# Altium PCB AD-FMComms3_revA.PcbDoc (part 3 of 5) (continued)
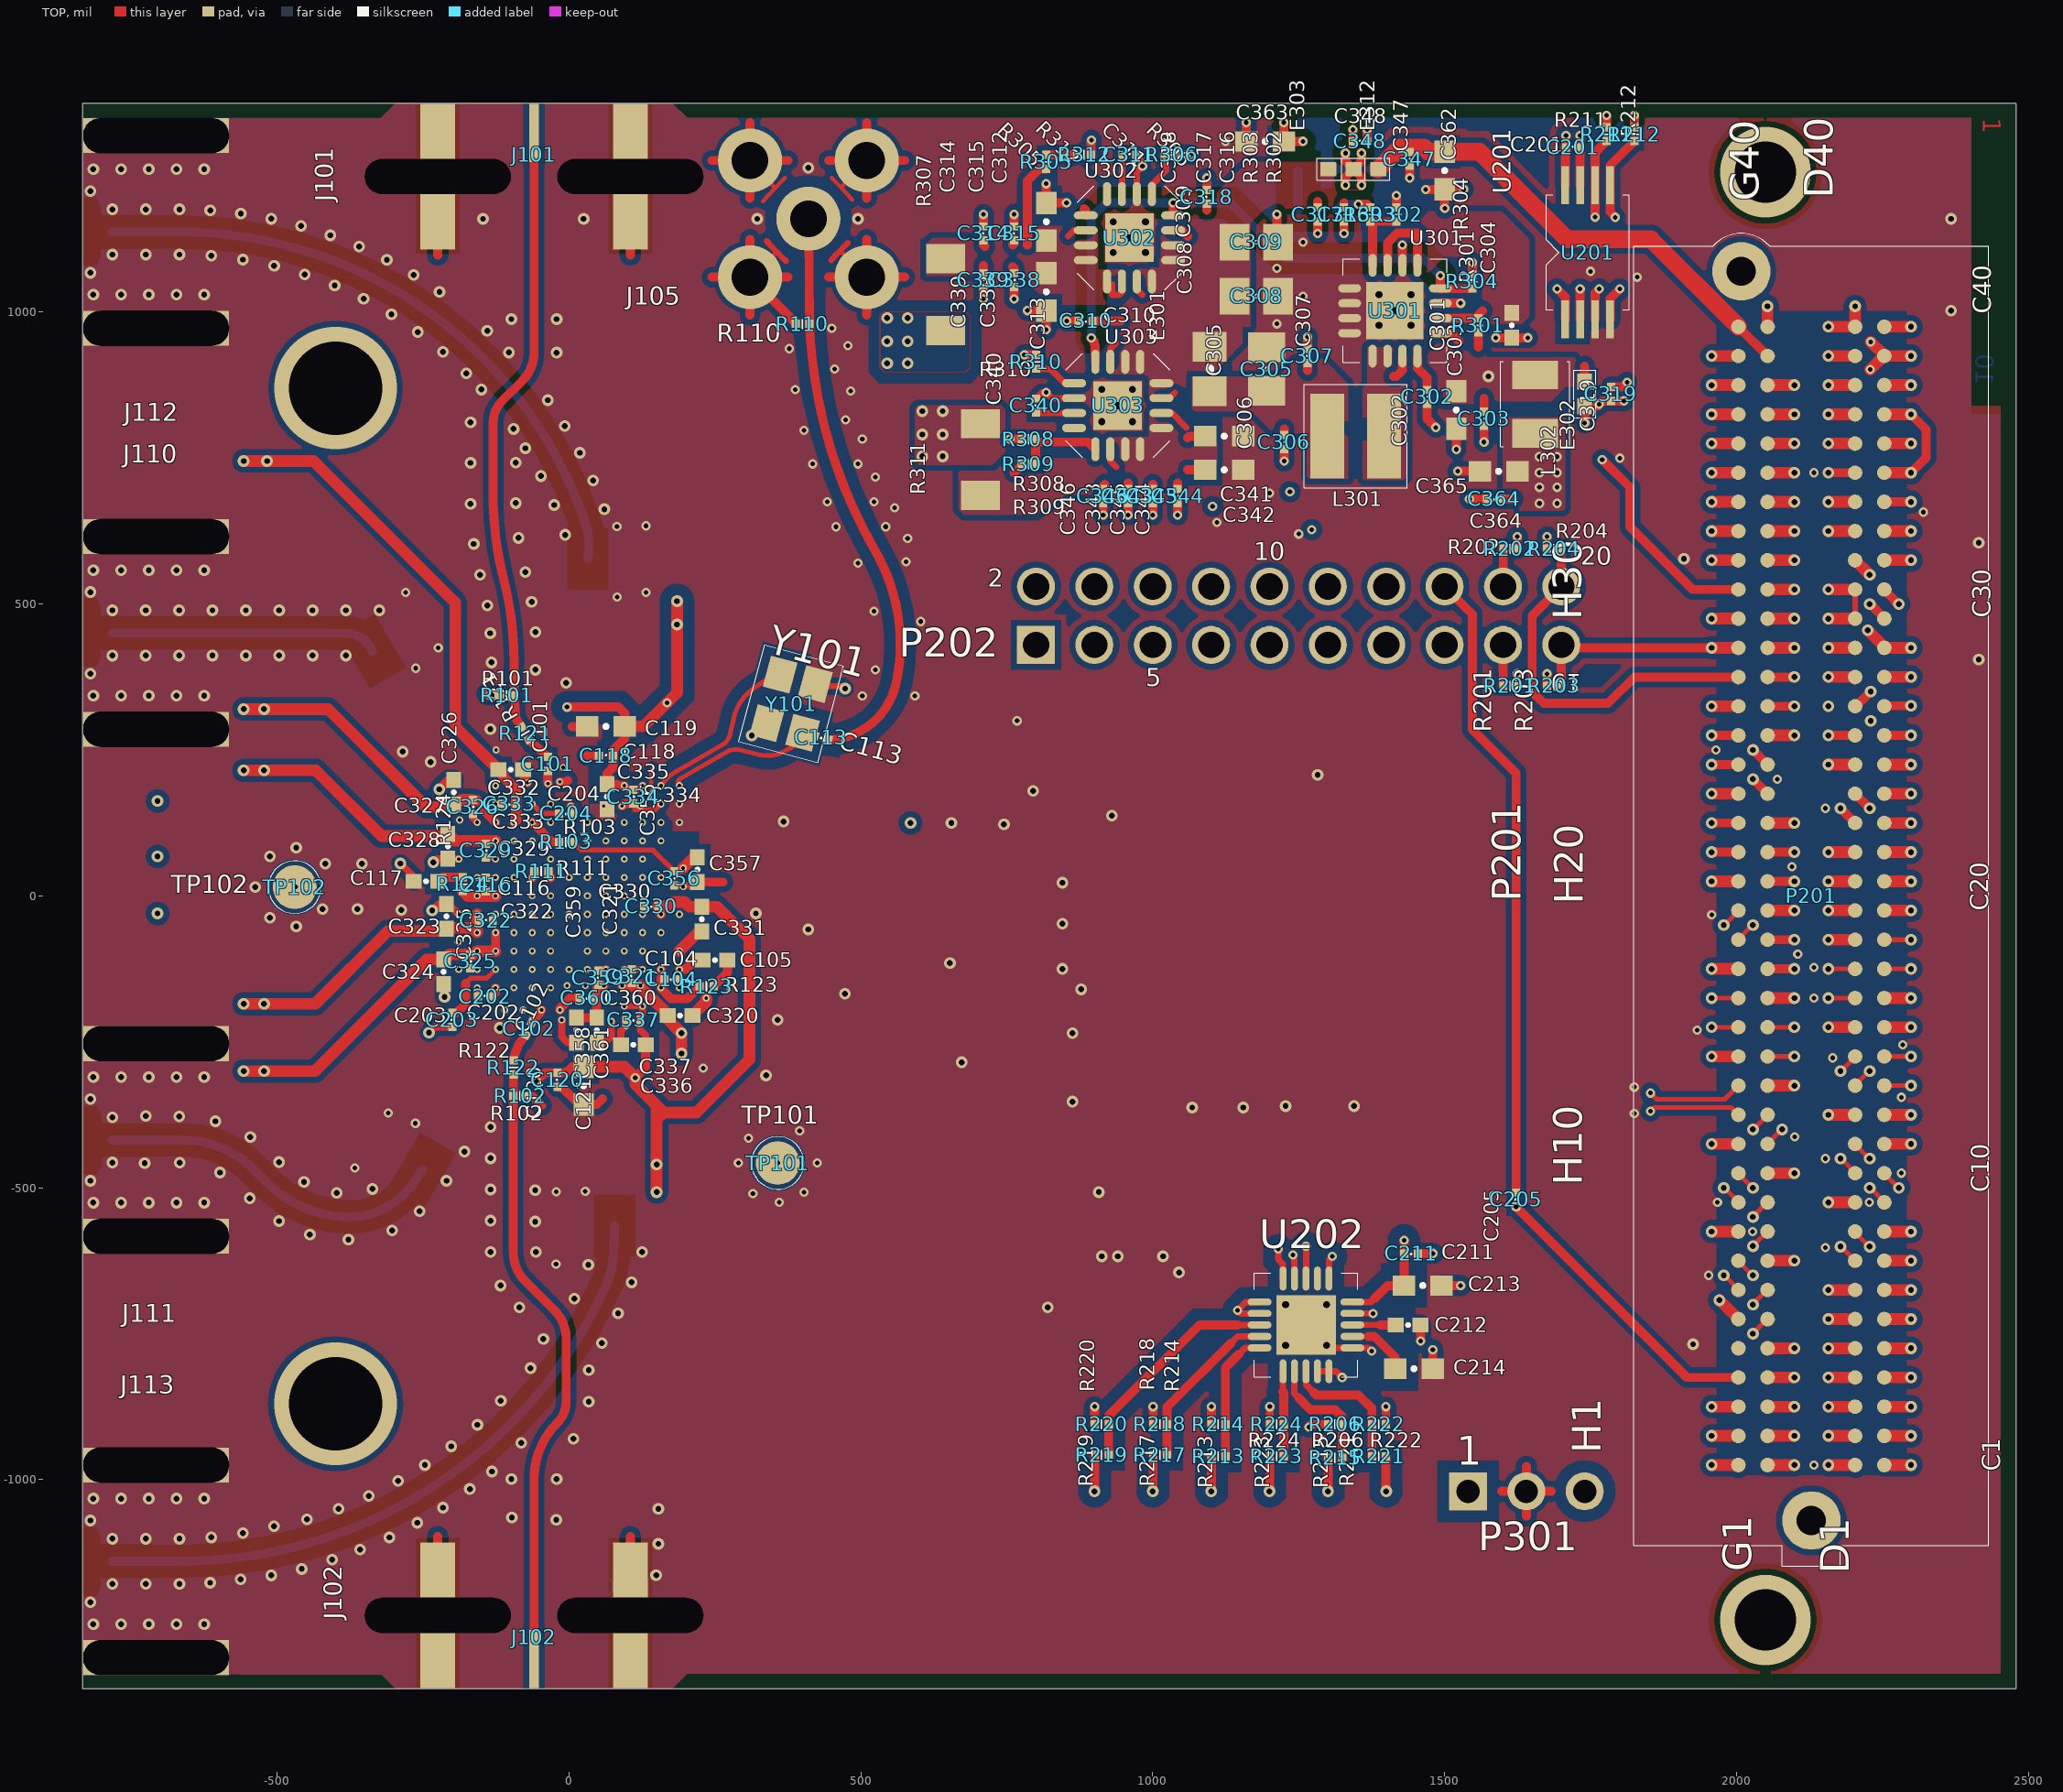
[diagram p0: TOP view]
## Nets (pads, with @x,y where several pads share a name; then routed paths per layer and width w, separated by ;. In a path a pad name is that pad's centre, name@x,y a point inside that pad or via, vN(x,y) a via of type N, cw(c..) or ccw(c..) an arc to the next point about the centre after c; other vN are vias at no path point) (continued)
TX_D5_P: P201.H19 TP209.1 U101.E7 | length 2957.9
  TOP w8: P201.H19@2003.27,-75 2003.27,-74.18 2021.81,-55.64 2021.81,-54 v1(2028.27,-50)
  L6_SIG w3.8: v3(31.49,-31.5) 43.5,-31.5 58.23,-16.77 64.45,-16.77 81.59,0.37 81.59,5.35 93.74,17.5 163.35,17.5 172.6,26.75 172.6,91.36 191.4,110.16 201.88,120.63 201.88,121.03 210.42,129.57 210.42,215.42 357.5,362.5 417.5,362.5 435,345 435,290 455,270 505,270 525,290 525,360 550,385 670,385 695,360 695,290 715,270 899.15,270 996.65,172.5 1030,172.5 1037.5,180 1037.5,200 1050,212.5 1097.5,212.5 1110,200 1110,180 1117.5,172.5 1157.5,172.5 1165,180 1165,197.5 1180,212.5 1232.5,212.5 1245,200 1245,180 1252.5,172.5 1312.5,172.5 1320,180 1320,197.5 1335,212.5 1395,212.5 1410,197.5 1410,177.5 1415,172.5 1769.15,172.5 1860.33,81.32 1860.33,-1.18 1866.65,-7.5 1885.85,-7.5 1892.92,-0.43 1892.92,15.42 1903.4,25.9 1920.04,25.9 1945.94,0 2005,0 2028.27,-23.27 v1(2028.27,-50)
  BOTTOM w8: U101.E7@15.75,-47.24 v3(31.49,-31.5)
TX_EXT_LO: TP101.1 U101.A12 | length 322.7
  BOTTOM w15.5: 188.98,-188.98 234.01,-246.51 324.7,-362.37 cw(c203.16,-457.5) v2(357.5,-457.5)
TX_FRAME_N: P201.D15 TP225.1 U101.H9 | length 2960.4
  TOP w8: v1(2178.27,-300) 2184.73,-296 2184.73,-294.36 2203.27,-275.82 P201.D15@2203.27,-275
  L6_SIG w4: v3(94.48,62.98) 94.48,50.52 99.67,45.33 105.33,45.33 110,50 110,70 121.48,81.48 131.38,81.48 138.99,89.09 141.94,92.03 141.94,102.85 151.69,112.6 152.08,112.98 162.86,112.98 170.47,120.59 170.47,143.07 ; 170.48,143.08 170.48,205.94 384.54,420 663.07,420 760.57,322.5 890.57,322.5 983.27,229.8 1733.27,229.8 1750.77,212.3 1883.27,212.3 1890,205.57 1890,110 1905,95 1988.07,95 2045,38.07 2045,-30 2070.2,-55.2 2105.77,-55.2 2120,-69.43 2120,-80 2142.2,-102.2 2204.7,-102.2 2218.07,-115.57 2218.07,-286.15 2211.27,-292.95 2211.27,-293.73 2205,-300 v1(2178.27,-300)
  BOTTOM w8: U101.H9@78.74,47.24 v3(94.48,62.98)
TX_FRAME_P: P201.D14 TP224.1 U101.G9 | length 2964.8
  TOP w8: P201.D14@2203.27,-325 2203.27,-324.18 2221.81,-305.64 2221.81,-304 v1(2228.27,-300)
  L6_SIG w4: v3(62.99,31.5) 77.5,46.01 77.5,69.87 89.11,81.48 99.89,81.48 107.5,89.09 107.5,94.39 123.17,110.06 134.72,110.06 144.47,119.81 144.47,131.37 ; 144.48,131.38 144.48,194.38 163.26,213.16 380.31,430.2 667.3,430.2 764.8,332.7 894.8,332.7 987.5,240 1737.5,240 1755,222.5 1887.5,222.5 1900.2,209.8 1900.2,114.23 1909.23,105.2 1992.3,105.2 2055.2,42.3 2055.2,-25.77 2074.43,-45 2110,-45 2130.2,-65.2 2130.2,-75.77 2146.43,-92 2208.93,-92 2228.27,-111.34 v1(2228.27,-300)
  BOTTOM w8: v3(62.99,31.5) U101.G9@78.74,15.75
TX_MON1: C101.2 U101.M5 | length 44.1
  TOP w15.5: C101.2@-36.25,214.25 ccw(c30.24,203.81) v3(-36.11,192.51)
  BOTTOM w10: U101.M5@-47.24,173.23 v3(-36.11,192.51)
TX_MON2: C102.2 U101.A5 | length 49.1
  TOP w15.5: C102.2@-63.68,-216.62 ccw(c-140.21,-140.09) v3(-47.24,-195.5)
  BOTTOM w10: v3(-47.24,-195.5) U101.A5@-47.24,-173.23
TX_VCO_1P1V_SUPPLY: C104.2 R123.1 U101.A11 U101.B11 | length 167.4
  TOP w15.5: v3(157.48,-125.98) C104.2@157.48,-148.02 ; C104.2@163,-142.5 C104.2@157.48,-148.02 ; R123.1@223.75,-154.75 202.27,-176.23 175.12,-176.23 157.48,-158.59 v3(157.48,-157.48) C104.2@157.48,-148.02
  BOTTOM w10: U101.A11@141.73,-173.23 v3(157.48,-157.48) ; U101.B11@141.73,-141.73 v3(157.48,-125.98)
TXNRX: P201.G19 P202.2 U101.H4 | length 2807.8
  TOP w15.5: P201.G19@2053.27,-75 v1(2099.09,-75)
  L5_SIG w4.9: v3(-94.49,62.99) -79.25,78.23 -79.25,131.75 -85,137.5 -85,205 -52,238 -34,238 103,375 500,375 510,365 607.5,365 772.5,530 P202.2@800,530 800,495 850,445 850,422.5 1222.5,50 1974.09,50 v1(2099.09,-75)
UNNAMED_2_AD9361_I22_RBIAS: R125.1 U101.L4 | length 106.3
  BOTTOM w7: -94.49,157.48 -94.49,185.42
  BOTTOM w15.5: R125.1@-101.75,260.75 -94.49,253.49 -94.49,185.42
UNNAMED_2_AD9361_I22_RXVCOLDOOU: C116.1 R124.1 U101.G2 U101.G3 | length 111.5
  TOP w20: R124.1@-181.75,8.25 -173.5,0 v3(-157.48,0) -140.2,0 ; C116.1@-142.5,7.28 ccw(c-129.83,7.28) -140.2,0 ; v3(-125.99,0) -140.2,0
  BOTTOM w10: v3(-157.48,0) U101.G2@-141.73,15.75 ; v3(-125.99,0) U101.G3@-110.24,15.75
UNNAMED_2_CAP_I19_N1: C117.1 R124.2 | length 45
  TOP w15.5: C117.1@-223.75,25 -216.5,32.25 R124.2@-181.75,32.25
UNNAMED_2_CAP_I51_N1: C105.1 R123.2 | length 54.5
  TOP w15.5: R123.2@247.75,-154.75 271.25,-131.25 C105.1@271.25,-110
UNNAMED_2_CAP_I135_N1: C106.1 T105.6 | length 80.7
  BOTTOM w15.5: T105.6@-187.95,360.87 cw(c-291.26,306.08) -175.21,320.47 cw(c-272.06,308.46) C106.1@-177.93,282.7
UNNAMED_2_CAP_I136_N1: C107.1 T105.4 | length 80.5
  BOTTOM w15.5: T105.4@-274.55,310.87 ccw(c-184.37,362.94) -236.65,272.88 ccw(c-184.42,362.85) C107.1@-212.57,262.7
UNNAMED_2_CAP_I137_N1: C108.1 T106.6 | length 84.6
  BOTTOM w15.5: T106.6@-275.26,-310.47 cw(c-211.74,-328.59) -237.01,-267.56 cw(c-212.57,-326.58) C108.1@-212.57,-262.7
UNNAMED_2_CAP_I138_N1: C109.1 T106.4 | length 84.6
  BOTTOM w15.5: T106.4@-188.66,-360.47 ccw(c-233.32,-314.68) -169.41,-312.06 ccw(c-224.26,-312.06) C109.1@-177.93,-282.7
UNNAMED_2_CAP_I199_N1: C102.1 R122.2 | length 49.2
  TOP w15.5: R122.2@-95,-281.75 cw(c-21.33,-290.87) C102.1@-73.82,-238.38
UNNAMED_2_CAP_I200_N1: C101.1 R121.2 | length 44.5
  TOP w15.5: R121.2@-69,268.36 ccw(c305.84,643.2) C101.1@-36.25,238.25
UNNAMED_2_CAP_I209_N2: C122.2 T107.6 | length 80.9
  BOTTOM w15.5: C122.2@101.82,379.76 ccw(c30.04,452.48) T107.6@132.22,452.48
UNNAMED_2_CAP_I210_N2: C123.2 T107.4 | length 80.5
  BOTTOM w15.5: T107.4@32.22,452.48 ccw(c136.35,452.48) C123.2@61.82,379.76
UNNAMED_2_CAP_I220_N2: C124.2 T108.6 | length 80.9
  BOTTOM w15.5: T108.6@-22.23,-439.48 cw(c79.95,-439.48) C124.2@8.17,-366.76
UNNAMED_2_CAP_I221_N2: C125.2 T108.4 | length 80.5
  BOTTOM w15.5: C125.2@48.17,-366.76 cw(c-26.36,-439.48) T108.4@77.77,-439.48
UNNAMED_2_CNBNC5P_I182_CNTR: J101.1 R101.2 R121.1 | length 1048.4
  TOP w15.5: R121.1@-81,289.14 cw(c-53.22,316.92) -92.5,316.25 ccw(c-200.97,316.21) -93.38,330 cw(c14.23,343.71) -94.25,343.75 -94.25,400 ccw(c-679.4,400) -112.5,545 cw(c435.51,685.17) -130,672.5 -130,811.29 cw(c-78.79,811.29) -115,847.5 -80,882.5 ccw(c-128.28,930.78) -60,930.78 J101.1@-60,1307.5
UNNAMED_2_CNBNC5P_I183_CNTR: J102.1 R102.2 R122.1 | length 1048.1
  TOP w15.5: R122.1@-95,-305.75 cw(c-995.75,-305.75) R102.2@-95.75,-342.5 -95.75,-609.91 ccw(c-24.91,-609.91) -75,-660 -25,-710 cw(c-73.28,-758.28) -5,-758.28 -5,-866.29 cw(c-56.21,-866.29) -20,-902.5 ccw(c76.57,-999.07) -60,-999.07 J102.1@-60,-1307.5
UNNAMED_3_AD7291_I189_DCAP: C212.1 U202.8 | length 74.2
  TOP w10: U202.8@1342,-735 1390,-735
  TOP w15.5: 1390,-735 C212.1@1416.25,-735
UNNAMED_3_AD7291_I189_VIN0: R219.2 R220.2 U202.18 | length 389.9
  TOP w11: 1145,-735 U202.18@1183,-735
  TOP w15.5: R219.2@924.5,-957.5 R220.2@924.5,-905 924.5,-890.5 1080,-735 1145,-735
UNNAMED_3_AD7291_I189_VIN1: R217.2 R218.2 U202.19 | length 290.5
  TOP w11: 1133.75,-766.25 1145.31,-754.69 U202.19@1183,-754.69
  TOP w15.5: R217.2@1024.5,-957.5 R218.2@1024.5,-905 1024.5,-875.5 1133.75,-766.25
UNNAMED_3_AD7291_I189_VIN2: R213.2 R214.2 U202.20 | length 224.4
  TOP w11: 1147.5,-785 1158.13,-774.37 U202.20@1183,-774.37
  TOP w15.5: R213.2@1124.5,-960 R214.2@1124.5,-905 1124.5,-808 1147.5,-785
UNNAMED_3_AD7291_I189_VIN3: R223.2 R224.2 U202.1 | length 146.1
  TOP w11: 1223.13,-849.37 U202.1@1223.13,-814.5
  TOP w15.5: 1223.13,-849.37 1224.5,-850.74 R224.2@1224.5,-905 R223.2@1224.5,-960
UNNAMED_3_AD7291_I189_VIN4: R206.2 R215.2 U202.2 | length 206.7
  TOP w11: U202.2@1242.81,-814.5 1242.81,-852.81 1250,-860
  TOP w15.5: 1250,-860 1270,-880 1312.5,-880 1324.5,-892 R206.2@1324.5,-905 R215.2@1324.5,-962.5
UNNAMED_3_AD7291_I189_VIN5: R221.2 R222.2 U202.3 | length 234.8
  TOP w11: U202.3@1262.5,-814.5 1262.5,-837.5 1275,-850
  TOP w15.5: 1275,-850 1280,-855 1352.5,-855 1375.5,-878 R222.2@1375.5,-905 R221.2@1375.5,-960
UNNAMED_3_AD7291_I189_VREF: C214.1 U202.7 | length 107.7
  TOP w10: U202.7@1342,-754.69 1369.69,-754.69
  TOP w15.5: 1369.69,-754.69 1379.69,-754.69 1415.25,-790.25 C214.1@1415.25,-810
UNNAMED_3_CAP_I66_N2: C205.2 P202.16 | length 1088.7
  TOP w15.5: P202.16@1500,530 1547.5,482.5 1547.5,285 1622.5,210 C205.2@1622.5,-508
UNNAMED_3_CN160PCDGH_I39_N27: P201.D27 R225.1 | length 67.5
  TOP w15.5: P201.D27@2203.27,325 2205,325 v1(2230,350)
  BOTTOM w15.5: R225.1@2217,325 2217,337 v1(2230,350)
UNNAMED_3_CN160PCDGH_I39_N30: P201.D30 P201.D31 | length 141.6
  TOP w9: P201.D30@2203.27,475 P201.D31@2203.27,525
  TOP w20: v1(2157.45,475) P201.D30@2203.27,475 ; v1(2157.45,525) P201.D31@2203.27,525
UNNAMED_3_DIOLED_I190_P: DS21.A R205.1 | length 68
  BOTTOM w15.5: DS21.A@1249,1242.5 1249,1176.25 R205.1@1250.25,1175
UNNAMED_4_ADP1755_I730_ADJ: R305.1 R312.2 U302.9 | length 68.8
  TOP w15.5: R305.1@817.5,1269.5 862,1269.5 ; 860,1267.5 862,1269.5 ; R312.2@870.5,1270 862.5,1270 862,1269.5 ; 882.5,1177.5 885.2,1174.8 U302.9@885.2,1165.89
UNNAMED_4_ADP1755_I730_SS: C311.1 U302.7 | length 68
  TOP w11: U302.7@947.2,1202.3 947.2,1269.2 C311.1@948,1270
UNNAMED_4_ADP1755_I730_VOUT1: C312.1 C313.1 C314.1 C315.1 C338.1 C339.1 R305.2 R307.1 U302.10 U302.11 U302.12 U302.13 U302.14 | length 285.4
  TOP w11: 855,1130 865.3,1140.3 U302.10@885.2,1140.3 ; 930,1047.5 930,1029.9 942.4,1029.9 947.2,1034.7 U302.14@947.2,1052.7
  TOP w15.5: C339.1@710,1067 710,1080 ; C314.1@710,1123 710,1115 712.5,1112.5 ; 760,1077.5 762.5,1075 C338.1@762.5,1067 ; 760,1115 762.5,1117.5 C315.1@762.5,1123 ; 785,1115 785,1225 805.5,1245.5 R305.2@817.5,1245.5
UNNAMED_4_ADP1755_I776_ADJ: R308.2 R309.1 U303.9 | length 149.7
  TOP w15.5: R309.1@799.5,740 R308.2@799.5,777.5 ; R308.2@799.5,782.5 R308.2@799.5,777.5 ; U303.9@901.61,765.2 889.31,777.5 R308.2@799.5,777.5
UNNAMED_4_ADP1755_I776_SS: C340.1 U303.7 | length 65.5
  TOP w11: C340.1@800,828 800.8,827.2 U303.7@865.2,827.2
UNNAMED_4_ADP1755_I776_VOUT1: C341.1 C342.1 C343.1 C344.1 C345.1 C346.1 R309.2 R311.1 U303.10 U303.11 U303.12 U303.13 U303.14 | length 207.4
  TOP w11: U303.10@927.2,765.2 927.2,745.3 937.5,735 ; U303.14@1014.8,827.2 1032.8,827.2 1057.5,802.5
  TOP w15.5: 762.5,725 775.5,738 R309.2@775.5,740 ; C346.1@915,697 915,702.5 917.5,705 ; C343.1@957.5,697 957.5,707.5 ; C345.1@1000,697 1000,705 ; C344.1@1042.5,697 1042.5,707.5 ; 1060,730 C342.1@1090.25,730 ; 1060,785 1062.5,787.5 C341.1@1090.25,787.5
UNNAMED_4_ADP2164_I831_FB: R302.2 R303.1 U301.4 | length 121.6
  TOP w14: R303.1@1372.5,1155.5 R302.2@1417.5,1155.5
  TOP w15.5: R303.1@1372.5,1155.5 1376.61,1149.61 U301.4@1376.61,1080.22
UNNAMED_4_ADP2164_I831_PVIN1: C301.1 C302.1 C303.1 E302.1 L302.2 R301.2 R304.2 U301.12 U301.13 | length 404.4
  TOP w15.5: U301.12@1453.39,924.78 1453.39,904.11 1470,887.5 C302.1@1470,867 ; U301.13@1492.72,964.11 1510.89,964.11 1525,950 ; R304.2@1547.5,1064.5 v2(1547.5,1085) ; 1557.5,940 R301.2@1557.5,965.5 ; C303.1@1567.5,829.5 1567.5,852.5 ; E302.1@1740,881.25 1740,907.5
  L3_PWR w25: v2(1547.5,1085) 1557.5,1075 1557.5,907.5 v1(1575,890)
UNNAMED_4_ADP2164_I831_SW1: L301.1 U301.9 U301.10 U301.11 | length 44
  TOP w15.5: 1412.5,890 1417.5,890 1427.8,900.3 U301.11@1427.8,924.78
UNNAMED_4_ADP2164_I831_SYNC: C304.1 R301.1 U301.1 U301.3 U301.14 | length 233.2
  TOP w15.5: U301.3@1402.2,1080.22 1402.2,1118.75 1419.2,1135.75 1453.39,1135.75 U301.1@1453.39,1080.22 ; U301.14@1492.72,989.7 R301.1@1557.5,989.7 ; R301.1@1557.5,989.5 R301.1@1557.5,989.7 ; 1565,1002.5 1557.5,995 R301.1@1557.5,989.7
UNNAMED_4_CAP_I833_N2: C305.2 C306.1 C307.1 E301.1 L301.2 | length 23.5
  TOP w15.5: C306.1@1225,789.5 1225,800 ; 1265,900 C307.1@1265,913
VADJ: C347.1 C362.1 E312.1 P201.G39 P201.H40 | length 838.6
  TOP w15.5: C347.1@1440,1274.5 1440,1282.5 ; P201.H40@2003.27,975 P201.G39@2053.27,925
  TOP w30: E312.1@1386.25,1245 1423.75,1282.5 1440,1282.5 1465,1282.5 1472.75,1274.75 C362.1@1500,1274.75 1560.25,1274.75 1710,1125 1853.27,1125 P201.H40@2003.27,975
VDD_INTERFACE: C348.1 C354.1 C355.1 C356.1 C357.1 C363.1 E303.1 E312.2 R103.1 R215.1 R226.1 R306.2 R310.2 TP243.1 U101.H12 | length 4076.2
  TOP w9: R103.1@7,92.5 21,78.5 143.5,78.5 C356.1@180,42
  TOP w12: C356.1@180,42 189.76,42 v3(195.5,47.74) ; C357.1@214.01,66.25 C357.1@220,66.25
  TOP w15.5: v2(780,927) R310.2@800,927 ; R306.2@1044.5,1270 v2(1065,1270) ; v2(1224.5,1325) 1224.75,1324.75 C363.1@1224.75,1292.5 1257,1292.5 v2(1257.25,1292.75) ; v1(1300,-1020) 1300.5,-1019.5 R215.1@1300.5,-962.5 ; v2(1330,1217.5) 1330,1231.25 E312.2@1343.75,1245 ; v2(1330,1272.5) 1330,1258.75 E312.2@1343.75,1245 ; C348.1@1343,1292.5 v2(1343,1313) ; v2(1357.5,1217.5) 1357.5,1231.25 E312.2@1343.75,1245 ; v2(1357.5,1272.5) 1357.5,1258.75 E312.2@1343.75,1245
  TOP w20: v3(195.5,47.74) C357.1@214.01,66.25
  L8_PWR w20: v1(1300,-1020) 1086.3,-806.3 1086.3,-516.3 792.5,-222.5 792.5,-150 585,57.5 v1(585,125) 612.5,152.5 865,152.5 877.5,165 1007.5,165 1082.5,90 1495,90 1590,-5 1982.5,-5 2045,57.5 2045,117.5 2117.5,190 2167.5,190 2230,252.5 v1(2230,300)
  BOTTOM w10: U101.H12@173.23,47.24 195,47.24 v3(195.5,47.74)
  BOTTOM w12: C355.1@245,42 245,51.25
  BOTTOM w15.5: R226.1@2217,275 2217,287 v1(2230,300)
  BOTTOM w20: v3(195.5,47.74) 199.01,51.25 245,51.25 C354.1@285,51.25
VDDA_GPO: C319.1 C358.1 C359.1 C360.1 C361.1 E302.2 R219.1 TP240.1 U101.B8 | length 1436.1
  TOP w15.5: C358.1@12.5,-208.75 C361.1@47.5,-208.75 C360.1@47.5,-175 ; C360.1@42,-175 C360.1@47.5,-175 ; C359.1@50,-152 C359.1@47.5,-154.5 ; v3(59.51,-153.74) 58.75,-154.5 C359.1@47.5,-154.5 ; v1(900,-1020) 900.5,-1019.5 R219.1@900.5,-957.5 ; v2(1740,810) E302.2@1740,838.75 1761.25,838.75 v2(1765,842.5) 1770.5,848 C319.1@1785,848 v2(1807,848) ; C360.1@47.5,-175 C359.1@47.5,-154.5
  L8_PWR w20: 475,-60 475,-72.5 572.5,-170 572.5,-337.5 932.5,-697.5 932.5,-987.5 v1(900,-1020)
  BOTTOM w10: v3@59.25,-153.74 v3(59.51,-153.74)
XTALN: C113.2 U101.M12 Y101.1 | length 254.9
  TOP w8: v3(188.98,188.98) cw(c194.89,194.33) 190.91,201.23 217.1,216.33 234.57,226.4 269.85,246.81 cw(c285.01,220.61) 293.14,249.77 327.52,241.69 ccw(c340.52,297.01) 362.73,244.7 379.69,253.34 398.51,269.48 399.91,270.88 Y101.1@399.91,279.28
XTALP: U101.M11 Y101.3 | length 296.8
  TOP w8: v3(157.48,188.98) cw(c224.68,142.64) 183.91,213.36 210.1,228.46 227.56,238.54 234.96,242.8 239.34,245.34 262.84,258.93 ccw(c249.49,282.01) 275.95,278.71 284.29,312.57 cw(c363.32,286.9) 315.36,354.76 355.65,383.08 359.47,379.26 Y101.3@361.47,379.26
pads on no net: P201. P201.C2 P201.C3 P201.C6 P201.C7 P201.C22 P201.C23 P201.D4 P201.D5 P201.D20 P201.D21 P201.D29 P201.D33 P201.D34 P201.G2 P201.G3 P201.G30 P201.G31 P201.G33 P201.G34 P201.G36 P201.G37 P201.H1 P201.H5 P201.H32 P201.H34 P201.H35 P201.H37 P201.H38 U101.A3 U101.M3 U202.12 U302.8 U303.8
copper on no net: | length 1281.7
  TOP w20: v1(1957.45,-975) 2003.27,-975 ; v1(1957.45,575) 2003.27,575 ; v1(1957.45,675) 2003.27,675 ; v1(1957.45,725) 2003.27,725 ; v1(1957.45,825) 2003.27,825 ; v1(1957.45,875) 2003.27,875 ; 2053.27,-925 v1(2099.09,-925) ; 2053.27,-875 v1(2099.09,-875) ; 2053.27,475 v1(2099.09,475) ; 2053.27,525 v1(2099.09,525) ; 2053.27,625 v1(2099.09,625) ; 2053.27,675 v1(2099.09,675) ; 2053.27,775 v1(2099.09,775) ; 2053.27,825 v1(2099.09,825) ; v1(2157.45,-825) 2203.27,-825 ; v1(2157.45,-775) 2203.27,-775 ; v1(2157.45,-25) 2203.27,-25 ; v1(2157.45,25) 2203.27,25 ; v1(2157.45,425) 2203.27,425 ; v1(2157.45,625) 2203.27,625 ; v1(2157.45,675) 2203.27,675 ; 2253.27,-925 v1(2299.09,-925) ; 2253.27,-875 v1(2299.09,-875) ; 2253.27,-725 v1(2299.09,-725) ; 2253.27,-675 v1(2299.09,-675) ; 2253.27,75 v1(2299.09,75) ; 2253.27,125 v1(2299.09,125)
  BOTTOM w10: v3(-125.98,188.98) -110.24,173.23 ; v3(-110.24,-195.5) -110.24,-173.23
  other v5: -400,-870 -400,870
  other v6: 2049.61,-1240.52 2049.61,1239.79

## Polygon pours and split planes (outlines as drawn)
UNNAMED_4_ADP2164_I831_SYNC on TOP "TOP-UNNAMED_4_ADP2164_I831_SYNC" (solid, pour order 7): 1427.5,1127.5 1472.5,1172.5 1597.5,1172.5 1645,1125 1645,992.5 1632.5,980 1547.5,980 1537.5,990 1537.5,1015 1557.5,1035 1557.5,1090 1552.5,1095 1500,1095 1470,1065 1450,1065 1427.5,1087.5 1427.5,1127.5
UNNAMED_4_ADP2164_I831_PVIN1 on TOP "TOP-UNNAMED_4_ADP2164_I831_PVIN1" (solid, pour order 6): 1452.5,870 1452.5,892.5 1452.5,930 1455,932.5 1480,932.5 1482.5,935 1482.5,960 1487.5,965 1555,965 1565,955 1565,930 1572.5,922.5 1645,922.5 1697.5,922.5 1755,922.5 1757.5,920 1757.5,880 1757.5,875 1755,872.5 1707.5,872.5 1695,860 1682.5,847.5 1590,847.5 1585,842.5 1585,835 1582.5,832.5 1562.5,832.5 1560,835 1560,840 1557.5,842.5 1552.5,842.5 1500,842.5 1497.5,845 1497.5,860 1492.5,865 1455,865 1452.5,867.5 1452.5,870
UNNAMED_4_ADP2164_I831_SW1 on TOP "TOP-UNNAMED_4_ADP2164_I831_SW1" (solid, pour order 4): 1367.5,940 1367.5,877.5 1360,870 1360,715 1362.5,712.5 1387.5,712.5 1430,712.5 1435,717.5 1435,877.5 1435,937.5 1432.5,940 1367.5,940
VDD_INTERFACE on TOP "TOP-VDD_INTERFACE" (solid, pour order 0): 1322.5,1275 1322.5,1215 1327.5,1210 1360,1210 1365,1215 1365,1275 1360,1280 1327.5,1280 1322.5,1275
3P3V on TOP "TOP-3P3V" (solid, pour order 5): 1705,820 1605,820 1600,815 1600,760 1600,665 1605,660 1607.5,660 1702.5,660 1706.25,663.75 1706.25,818.75 1705,820
UNNAMED_4_CAP_I833_N2 on TOP "TOP-UNNAMED_4_CAP_I833_N2" (solid, pour order 8): 1067.5,890 1215,890 1245,920 1292.5,920 1335,877.5 1335,715 1300,715 1267.5,715 1263.75,718.75 1263.75,786.25 1257.5,792.5 1207.5,792.5 1170,830 1072.5,830 1067.5,835 1067.5,890
UNNAMED_4_ADP1755_I730_ADJ on TOP "TOP-UNNAMED_4_ADP1755_I730_ADJ" (solid, pour order 1): 905,1222.5 852.5,1275 840,1275 837.5,1272.5 837.5,1205 883.5,1159 896.22,1159 905,1163.39 905,1222.5
1P3_SUPPLY_B on TOP "TOP-1P3_SUPPLY_B" (solid, pour order 2): 740,840.5 597.5,840.5 592.5,835.5 592.5,745.5 600,738 725.5,738 747.5,760 747.5,833 740,840.5
GND_POWER on TOP "TOP-GND_POWER" (solid, pour order 23): -297.5,-1357.5 -320,-1335 -808.07,-1333.02 -808.07,-1328.84 -833.07,-1303.84 -833.07,1305.28 -808.07,1330.28 -808.07,1331.99 -322.5,1332.5 -297.5,1357.5 177.5,1357.5 202.5,1332.5 2402.5,1332.5 2402.5,839.48 2452.5,839.48 2452.5,-1332.5 202.5,-1332.5 177.5,-1357.5 -297.5,-1357.5
UNNAMED_4_ADP1755_I776_VOUT1 on TOP "TOP-UNNAMED_4_ADP1755_I776_VOUT1" (solid, pour order 10): 924,700 909,687.5 852.5,687.5 800,652.5 677.5,652.5 667.5,662.5 667.5,725 677.5,735 745,735 760,750 892.5,750 907.5,765.28 928.5,786.28 993.53,786.28 994,831.28 1035,832.5 1055,812.5 1100,812.5 1110,802.5 1110,712.5 1097.5,700 924,700
1P8V on TOP "TOP-1P8V" (solid, pour order 11): 1001,843.78 993.5,851.28 993.5,886.28 986,893.78 926,893.78 919.44,900.34 919.44,981.94 965.46,1027.96 964.54,1067.26 971.28,1074 994,1074 1013.78,1093.78 1013.78,1141.5 1025,1150 1052.5,1150 1085.11,1182.61 1085.04,1192.5 1097.5,1192.5 1162.5,1257.5 1310,1257.5 1310,1225 1335,1200 1380,1200 1380,1177.5 1192.5,1177.5 1167.5,1152.5 1167.5,960 1051.28,843.78 1001,843.78
1P3_SUPPLY_A on TOP "TOP-1P3_SUPPLY_A" (solid, pour order 3): 680,1000 537.5,1000 532.5,995 532.5,905 540,897.5 680,897.5 687.5,905 687.5,992.5 680,1000
UNNAMED_4_ADP1755_I730_VOUT1 on TOP "TOP-UNNAMED_4_ADP1755_I730_VOUT1" (solid, pour order 9): 795,1147.5 897.78,1147.5 906.28,1139 906.28,1073.97 952.5,1073.49 952.5,1032.5 932.5,1012.5 825,1012.5 785,1052.5 785,1062.5 612.5,1062.5 612.5,1117.5 622.5,1127.5 775,1127.5 795,1147.5
1P3_SUPPLY_A on L3_PWR "L3_PWR-1P3_SUPPLY_A" (solid, pour order 18): 595,685 595,1295 560,1330 -680,1330 -790,1220 -790,-1245 -710,-1325 1237.5,-1325 1260,-1302.5 1260,-990 1257.5,-987.5 1175,-987.5 1170,-992.5 1170,-1105 1117.5,-1157.5 792.5,-1157.5 732.5,-1097.5 732.5,-702.5 347.5,-317.5 295,-265 255,-225 165,-225 160,-230 160,-302.5 145,-317.5 -190,-317.5 -237.5,-270 -237.5,415 -200,452.5 362.5,452.5 595,685
VDD_INTERFACE on L3_PWR "L3_PWR-VDD_INTERFACE" (solid, pour order 16): 805,-5 190,-5 167.5,17.5 167.5,137.5 765,735 765,1332.5 1377.5,1332.5 1377.5,567.5 805,-5
GND_POWER on L3_PWR "L3_PWR-GND_POWER" (solid, pour order 20): -711.59,-1333.41 -800,-1245 -800,1230 -697.89,1332.11 -322.5,1332.5 -315,1340 140,452.5 332.5,260 882.41,652.59 2402.5,652.23 2402.5,839.48 2452.5,839.48 2452.5,-1333.02 202.5,-1332.5 200,-1335 -320,-1335 -711.59,-1333.41
3P3V on L3_PWR "L3_PWR-3P3V" (solid, pour order 17): 1535,-1122.5 1477.5,-1065 1477.5,-587.5 1450,-560 1250,-560 1077.5,-732.5 1077.5,-982.5 1020,-1040 1000,-1040 987.5,-1027.5 987.5,-985 1020,-952.5 1020,-692.5 1632.5,-80 1632.5,855 1652.5,875 2042.5,875 2190,1022.5 2220,1022.5 2322.5,920 2322.5,670 2185,670 2127.5,612.5 2127.5,-767.5 1772.5,-1122.5 1535,-1122.5
3.3VAUX on L3_PWR "L3_PWR-3.3VAUX" (solid, pour order 12): 2154.17,601.67 2152.5,565 2202.5,515 2452.5,515 2452.5,1325 1965,1325 1945,1345 1705,1345 1682.5,1345 1670,1332.5 1670,915 1685,900 1837.5,900 2030,900 2180,1050 2240.02,1050 2345.46,944.53 2347.5,645 2197.5,645 2154.17,601.67
no net on L4_GND "L4_GND-No Net" (solid, pour order 27): -808.07,-1333.02 -808.07,-1331.93 -833.07,-1306.93 -833.07,1306.93 -808.07,1331.93 -808.07,1331.99 -322.5,1332.5 -297.5,1357.5 177.5,1357.5 202.5,1332.5 2402.5,1331.98 2402.5,839.48 2452.5,839.48 2452.5,-1333.02 202.5,-1332.5 177.5,-1357.5 -297.5,-1357.5 -320,-1335 -808.07,-1333.02
no net on L9_GND "L9_GND-No Net" (solid, pour order 28): -808.07,-1333.02 -808.07,-1331.93 -833.07,-1306.93 -833.07,1306.93 -808.07,1331.93 -808.07,1331.99 -322.5,1332.5 -297.5,1357.5 177.5,1357.5 202.5,1332.5 2402.5,1331.98 2402.5,839.48 2452.5,839.48 2452.5,-1333.02 202.5,-1332.5 177.5,-1357.5 -297.5,-1357.5 -320,-1335 -808.07,-1333.02
3P3V on L8_PWR "L8_PWR-3P3V" (solid, pour order 14): 1482.5,1302.5 2337.5,1302.5 2365,1275 2365,750 1957.5,750 1927.5,750 1920,757.5 1920,880 1915,885 1907.5,892.5 1852.5,892.5 1722.5,892.5 1707.5,877.5 1707.5,665 1697.5,655 1426.25,655 1415,666.25 1415,1287.5 1427.5,1300 1430,1302.5 1432.5,1302.5 1482.5,1302.5
12V on L8_PWR "L8_PWR-12V" (solid, pour order 13): 2282.5,845 2367.5,845 2415,797.5 2415,-890 2295,-1010 2067.5,-1010 1957.5,-1120 1730,-1120 1672.5,-1062.5 1672.5,-935 1810,-797.5 2027.5,-797.5 2255,-570 2255,817.5 2282.5,845
VDDA_GPO on L8_PWR "L8_PWR-VDDA_GPO" (solid, pour order 15): 1217.5,162.5 590,162.5 552.5,125 552.5,-2.5 392.5,-162.5 57.5,-162.5 45,-150 45,-72.5 52.5,-65 202.5,-65 260,-7.5 260,107.5 732.5,580 767.5,615 1445,615 1602.5,615 1717.5,615 1725,615 1728.75,618.75 1731.25,621.25 1731.25,861.25 1737.5,867.5 1745,867.5 1750,867.5 1840,867.5 1870,867.5 1880,867.5 1887.5,867.5 1895,860 1895,852.5 1895,842.5 1895,205 1852.5,162.5 1815,162.5 1767.5,162.5 1217.5,162.5
1P3_SUPPLY_B on L8_PWR "L8_PWR-1P3_SUPPLY_B" (solid, pour order 19): 660,750 660,1252.5 582.5,1330 -680,1330 -790,1220 -790,-1245 -710,-1325 1440,-1325 1460,-1305 1460,-965 1450,-955 1353.75,-955 1347.5,-963.33 1347.5,-1112.5 1302.5,-1157.5 792.5,-1157.5 732.5,-1097.5 732.5,-702.5 347.5,-317.5 -190,-317.5 -237.5,-270 -237.5,415 -200,452.5 362.5,452.5 660,750
1P3_SUPPLY_B on L8_PWR "L8_PWR-1P3_SUPPLY_B 1" (solid, pour order 21): -320,-1335 -808.07,-1333.02 -808.07,-1331.93 -810,-1330 -810,1230 -707.9,1332.1 -322.5,1332.5 2402.5,1332.5 2402.5,839.48 2452.5,839.48 2452.5,-1332.5 -322.5,-1332.5 -320,-1335
GND_POWER on L5_SIG "L5_SIG-GND_POWER" (solid, pour order 26): -808.07,-1333.02 -808.07,-1331.93 -833.07,-1306.93 -833.07,1306.93 -808.07,1331.93 -808.07,1331.98 -322.5,1332.5 -297.5,1357.5 177.5,1357.5 202.5,1332.5 2402.5,1331.98 2402.5,839.48 2452.5,839.48 2452.5,-1333.02 202.5,-1332.5 177.5,-1357.5 -297.5,-1357.5 -320,-1335 -808.07,-1333.02
no net on L7_GND "L7_GND-No Net" (solid, pour order 29): -808.07,-1333.02 -808.07,-1331.93 -833.07,-1306.93 -833.07,1306.93 -808.07,1331.93 -808.07,1331.99 -322.5,1332.5 -297.5,1357.5 177.5,1357.5 202.5,1332.5 2402.5,1331.98 2402.5,839.48 2452.5,839.48 2452.5,-1333.02 202.5,-1332.5 177.5,-1357.5 -297.5,-1357.5 -320,-1335 -808.07,-1333.02
GND_POWER on L6_SIG "L6_SIG-GND_POWER" (solid, pour order 25): -297.5,-1357.5 -320,-1335 -808.07,-1333.02 -808.07,-1331.93 -833.07,-1306.93 -833.07,1306.93 -808.07,1331.93 -808.07,1331.98 -322.5,1332.5 -297.5,1357.5 177.5,1357.5 202.5,1332.5 2402.5,1332.5 2402.5,839.48 2452.5,839.48 2452.5,-1332.5 202.5,-1332.5 177.5,-1357.5 -297.5,-1357.5
GND_POWER on BOTTOM "BOTTOM-GND_POWER" (solid, pour order 22): -808.07,-1333.02 -808.07,-1331.93 -833.07,-1306.93 -833.07,-1199.3 -809.4,-1199.5 -801.6,-1184.4 -801.8,-1170.1 -801.9,-1111 -801.6,-1097.2 -809.9,-1081.8 -833.07,-1081.6 -833.07,-477.25 -808.68,-477.56 -800.38,-462.06 -800.58,-448.06 -800.78,-389.36 -800.78,-375.26 -808.68,-360.26 -833.07,-360.05 -833.07,392.56 -809.8,392.96 -802.1,407.36 -801.8,422.16 -802,481.26 -802,495.36 -810,510.36 -833.07,510.46 -833.07,1079.3 -809.6,1079.2 -801.6,1094.2 -801.8,1108.4 -801.8,1181.6 -809.7,1196.7 -833.07,1196.9 -833.07,1331.99 -322.5,1332.5 -297.5,1357.5 177.5,1357.5 202.5,1332.5 2402.5,1331.98 2402.5,840 2452.5,840 2452.5,-1333.02 202.5,-1332.5 177.5,-1357.5 -297.5,-1357.5 -320,-1335 -808.07,-1333.02
no net on L2_GND "L2_GND-No Net" (solid, pour order 24): -808.07,-1333.02 -808.07,-1331.93 -833.07,-1306.93 -833.07,1304.43 -808.07,1329.43 -808.07,1331.99 -322.5,1332.5 -297.5,1357.5 177.5,1357.5 202.5,1332.5 2402.5,1331.98 2402.5,839.48 2452.5,839.48 2452.5,-1333.02 202.5,-1332.5 177.5,-1357.5 -297.5,-1357.5 -320,-1335 -808.07,-1333.02

## Other copper
TOP:
  drawing of 19 lines, arcs and shapes, not listed
  text "1" at 2422.6,1332.5 h31 r270

## Text inside footprints (layer, text, board x,y; h text height)
P201: PIN_NUMBER "C2" at 2249.93,-916.66 h25 r180; PIN_NUMBER "C22" at 2239.93,83.34 h25 r180; PIN_NUMBER "C23" at 2239.93,133.34 h25 r180; PIN_NUMBER "C3" at 2249.93,-866.66 h25 r180; PIN_NUMBER "C6" at 2249.93,-716.66 h25 r180; PIN_NUMBER "C7" at 2249.93,-666.66 h25 r180; PIN_NUMBER "D20" at 2164.93,-16.66 h25 r180; PIN_NUMBER "D21" at 2164.93,33.34 h25 r180; PIN_NUMBER "D29" at 2164.93,433.34 h25 r180; PIN_NUMBER "D33" at 2164.93,633.34 h25 r180; PIN_NUMBER "D34" at 2164.93,683.34 h25 r180; PIN_NUMBER "D4" at 2174.93,-816.66 h25 r180; PIN_NUMBER "D5" at 2174.93,-766.66 h25 r180; PIN_NUMBER "G2" at 2024.94,-916.67 h25 r180; PIN_NUMBER "G3" at 2024.94,-866.67 h25 r180; PIN_NUMBER "G30" at 2014.94,483.33 h25 r180; PIN_NUMBER "G31" at 2014.94,533.33 h25 r180; PIN_NUMBER "G33" at 2014.94,633.33 h25 r180; PIN_NUMBER "G34" at 2014.94,683.33 h25 r180; PIN_NUMBER "G36" at 2014.94,783.33 h25 r180; PIN_NUMBER "G37" at 2014.94,833.33 h25 r180; PIN_NUMBER "H1" at 1949.94,-966.67 h25 r180; PIN_NUMBER "H32" at 1939.94,583.33 h25 r180; PIN_NUMBER "H34" at 1939.94,683.33 h25 r180; PIN_NUMBER "H35" at 1939.94,733.33 h25 r180; PIN_NUMBER "H37" at 1939.94,833.33 h25 r180; PIN_NUMBER "H38" at 1939.94,883.33 h25 r180; PIN_NUMBER "H5" at 1949.94,-766.67 h25 r180; PIN_NUMBER "G18" at 2014.94,-116.67 h25 r180; PIN_NUMBER "H22" at 1939.94,83.33 h25 r180; PIN_NUMBER "H2" at 1949.94,-916.67 h25 r180; PIN_NUMBER "H3" at 1949.94,-866.67 h25 r180; PIN_NUMBER "H6" at 1949.94,-716.67 h25 r180; PIN_NUMBER "H9" at 1949.94,-566.67 h25 r180; PIN_NUMBER "H12" at 1939.94,-416.67 h25 r180; PIN_NUMBER "H15" at 1939.94,-266.67 h25 r180; PIN_NUMBER "H18" at 1939.94,-116.67 h25 r180; PIN_NUMBER "H21" at 1939.94,33.33 h25 r180; PIN_NUMBER "H24" at 1939.94,183.33 h25 r180; PIN_NUMBER "H27" at 1939.94,333.33 h25 r180; PIN_NUMBER "H30" at 1939.94,483.33 h25 r180; PIN_NUMBER "H33" at 1939.94,633.33 h25 r180; PIN_NUMBER "H36" at 1939.94,783.33 h25 r180; PIN_NUMBER "H39" at 1939.94,933.33 h25 r180; PIN_NUMBER "C1" at 2249.93,-966.66 h25 r180; PIN_NUMBER "C4" at 2249.93,-816.66 h25 r180; PIN_NUMBER "C5" at 2249.93,-766.66 h25 r180; PIN_NUMBER "C8" at 2249.93,-616.66 h25 r180; PIN_NUMBER "C9" at 2249.93,-566.66 h25 r180; PIN_NUMBER "C12" at 2239.93,-416.66 h25 r180; PIN_NUMBER "C13" at 2239.93,-366.66 h25 r180; PIN_NUMBER "C16" at 2239.93,-216.66 h25 r180; PIN_NUMBER "C17" at 2239.93,-166.66 h25 r180; PIN_NUMBER "C20" at 2239.93,-16.66 h25 r180; PIN_NUMBER "C21" at 2239.93,33.34 h25 r180; PIN_NUMBER "C24" at 2239.93,183.34 h25 r180; PIN_NUMBER "C25" at 2239.93,233.34 h25 r180; PIN_NUMBER "C28" at 2239.93,383.34 h25 r180; PIN_NUMBER "C29" at 2239.93,433.34 h25 r180; PIN_NUMBER "C32" at 2239.93,583.34 h25 r180; PIN_NUMBER "C33" at 2239.93,633.34 h25 r180; PIN_NUMBER "C36" at 2239.93,783.34 h25 r180; PIN_NUMBER "C38" at 2239.93,883.34 h25 r180; PIN_NUMBER "C40" at 2239.93,983.34 h25 r180; PIN_NUMBER "D2" at 2174.93,-916.66 h25 r180; PIN_NUMBER "D3" at 2174.93,-866.66 h25 r180; PIN_NUMBER "D6" at 2174.93,-716.66 h25 r180; PIN_NUMBER "D7" at 2174.93,-666.66 h25 r180; PIN_NUMBER "D10" at 2164.93,-516.66 h25 r180; PIN_NUMBER "D13" at 2164.93,-366.66 h25 r180; PIN_NUMBER "D16" at 2164.93,-216.66 h25 r180; PIN_NUMBER "D19" at 2164.93,-66.66 h25 r180; PIN_NUMBER "D22" at 2164.93,83.34 h25 r180; PIN_NUMBER "D25" at 2164.93,233.34 h25 r180; PIN_NUMBER "D28" at 2164.93,383.34 h25 r180; PIN_NUMBER "D37" at 2164.93,833.34 h25 r180; PIN_NUMBER "D39" at 2164.93,933.34 h25 r180; PIN_NUMBER "G1" at 2024.94,-966.67 h25 r180; PIN_NUMBER "G4" at 2024.94,-816.67 h25 r180; PIN_NUMBER "G5" at 2024.94,-766.67 h25 r180; PIN_NUMBER "G8" at 2024.94,-616.67 h25 r180; PIN_NUMBER "G11" at 2014.94,-466.67 h25 r180; PIN_NUMBER "G14" at 2014.94,-316.67 h25 r180; PIN_NUMBER "G17" at 2014.94,-166.67 h25 r180; PIN_NUMBER "G20" at 2014.94,-16.67 h25 r180; PIN_NUMBER "G23" at 2014.94,133.33 h25 r180; PIN_NUMBER "G26" at 2014.94,283.33 h25 r180; PIN_NUMBER "G29" at 2014.94,433.33 h25 r180; PIN_NUMBER "G32" at 2014.94,583.33 h25 r180; PIN_NUMBER "G35" at 2014.94,733.33 h25 r180; PIN_NUMBER "G38" at 2014.94,883.33 h25 r180; PIN_NUMBER "G40" at 2014.94,983.33 h25 r180; PIN_NUMBER "C26" at 2239.93,283.34 h25 r180; PIN_NUMBER "C27" at 2239.93,333.34 h25 r180; PIN_NUMBER "D26" at 2164.93,283.34 h25 r180; PIN_NUMBER "G19" at 2014.94,-66.67 h25 r180; PIN_NUMBER "H23" at 1939.94,133.33 h25 r180; PIN_NUMBER "H4" at 1949.94,-816.67 h25 r180; PIN_NUMBER "H28" at 1939.94,383.33 h25 r180; PIN_NUMBER "H29" at 1939.94,433.33 h25 r180; PIN_NUMBER "G27" at 2014.94,333.33 h25 r180; PIN_NUMBER "G28" at 2014.94,383.33 h25 r180; PIN_NUMBER "G21" at 2014.94,33.33 h25 r180; PIN_NUMBER "G22" at 2014.94,83.33 h25 r180; PIN_NUMBER "H25" at 1939.94,233.33 h25 r180; PIN_NUMBER "H26" at 1939.94,283.33 h25 r180; PIN_NUMBER "G24" at 2014.94,183.33 h25 r180; PIN_NUMBER "G25" at 2014.94,233.33 h25 r180; PIN_NUMBER "D23" at 2164.93,133.34 h25 r180; PIN_NUMBER "D24" at 2164.93,183.34 h25 r180; PIN_NUMBER "G6" at 2024.94,-716.67 h25 r180; PIN_NUMBER "G12" at 2014.94,-416.67 h25 r180; PIN_NUMBER "D8" at 2174.93,-616.66 h25 r180; PIN_NUMBER "D14" at 2164.93,-316.66 h25 r180; PIN_NUMBER "C35" at 2239.93,733.34 h25 r180; PIN_NUMBER "C37" at 2239.93,833.34 h25 r180; PIN_NUMBER "H40" at 1939.94,983.33 h25 r180; PIN_NUMBER "G39" at 2014.94,933.33 h25 r180; PIN_NUMBER "D32" at 2164.93,583.34 h25 r180; PIN_NUMBER "C39" at 2239.93,933.34 h25 r180; PIN_NUMBER "D36" at 2164.93,783.34 h25 r180; PIN_NUMBER "D38" at 2164.93,883.34 h25 r180; PIN_NUMBER "D40" at 2164.93,983.34 h25 r180; PIN_NUMBER "G7" at 2024.94,-666.67 h25 r180; PIN_NUMBER "G13" at 2014.94,-366.67 h25 r180; PIN_NUMBER "C34" at 2239.93,683.34 h25 r180; PIN_NUMBER "D35" at 2164.93,733.34 h25 r180; PIN_NUMBER "D1" at 2174.93,-966.66 h25 r180; PIN_NUMBER "H8" at 1949.94,-616.67 h25 r180; PIN_NUMBER "H7" at 1949.94,-666.67 h25 r180; PIN_NUMBER "G10" at 2014.94,-516.67 h25 r180; PIN_NUMBER "G9" at 2024.94,-566.67 h25 r180; PIN_NUMBER "H11" at 1939.94,-466.67 h25 r180; PIN_NUMBER "H10" at 1939.94,-516.67 h25 r180; PIN_NUMBER "D12" at 2164.93,-416.66 h25 r180; PIN_NUMBER "D11" at 2164.93,-466.66 h25 r180; PIN_NUMBER "C11" at 2239.93,-466.66 h25 r180; PIN_NUMBER "C10" at 2239.93,-516.66 h25 r180; PIN_NUMBER "H14" at 1939.94,-316.67 h25 r180; PIN_NUMBER "H13" at 1939.94,-366.67 h25 r180; PIN_NUMBER "D9" at 2174.93,-566.66 h25 r180; PIN_NUMBER "C30" at 2239.93,483.34 h25 r180; PIN_NUMBER "C31" at 2239.93,533.34 h25 r180; PIN_NUMBER "H17" at 1939.94,-166.67 h25 r180; PIN_NUMBER "H16" at 1939.94,-216.67 h25 r180; PIN_NUMBER "G16" at 2014.94,-216.67 h25 r180; PIN_NUMBER "G15" at 2014.94,-266.67 h25 r180; PIN_NUMBER "D18" at 2164.93,-116.66 h25 r180; PIN_NUMBER "D17" at 2164.93,-166.66 h25 r180; PIN_NUMBER "C15" at 2239.93,-266.66 h25 r180; PIN_NUMBER "C14" at 2239.93,-316.66 h25 r180; PIN_NUMBER "C19" at 2239.93,-66.66 h25 r180; PIN_NUMBER "C18" at 2239.93,-116.66 h25 r180; PIN_NUMBER "H20" at 1939.94,-16.67 h25 r180; PIN_NUMBER "H19" at 1939.94,-66.67 h25 r180; PIN_NUMBER "D15" at 2164.93,-266.66 h25 r180; PIN_NUMBER "D30" at 2164.93,483.34 h25 r180; PIN_NUMBER "D31" at 2164.93,533.34 h25 r180; PIN_NUMBER "H31" at 1939.94,533.33 h25 r180; PIN_NUMBER "D27" at 2164.93,333.34 h25 r180; PAD_STACK_NAME "NP50" at 2648.27,25 h50 r90; PAD_STACK_NAME "C25" at 2587.9,7.9 h50 r90; PAD_STACK_NAME "CNSAMTECASP-134604-01" at 1238.94,7 h50 r90; Top Overlay "G1" at 2025.74,-1157.2 h50 r90; Top Overlay "D1" at 2192.74,-1161.2 h50 r90; Top Overlay "D40" at 2165.24,1194.8 h50 r90; Top Overlay "G40" at 2038.24,1189.8 h50 r90; Top Overlay "C40" at 2436.04,997.3 h31 r90; Top Overlay "C30" at 2435.04,476.3 h31 r90; Top Overlay "H30" at 1735,472.5 h50 r90; Top Overlay "H20" at 1736.74,-14.9 h50 r90; Top Overlay "C20" at 2431.04,-25.7 h31 r90; Top Overlay "C10" at 2433.04,-507.7 h31 r90; Top Overlay "H10" at 1735.74,-495.9 h50 r90; Top Overlay "C1" at 2451.44,-985.7 h31 r90; Top Overlay "H1" at 1767.5,-955 h50 r90; DISPLAY_TOP "14JUN11" at 2044.07,1498.89 h31 r180; DISPLAY_TOP "QA/GMC" at 2048.37,1450.34 h31 r180; DISPLAY_TOP "26SEP09" at 2044.07,1373.89 h31 r180; DISPLAY_TOP "QA/JMTG" at 2035.97,1325.34 h31 r180; DISPLAY_TOP "ADI/GMC" at 2037.07,-1294.47 h31 r180; DISPLAY_TOP "25SEP09" at 2040.87,-1244.08 h31 r180; ASSEMBLY_TOP "G1" at 2028.24,-1154.7 h50 r90; ASSEMBLY_TOP "D1" at 2195.24,-1158.7 h50 r90; ASSEMBLY_TOP "D40" at 2165.24,1197.3 h50 r90; ASSEMBLY_TOP "G40" at 2038.24,1192.3 h50 r90; ASSEMBLY_TOP "C40" at 2468.24,997.3 h50 r90; ASSEMBLY_TOP "C30" at 2467.24,476.3 h50 r90; ASSEMBLY_TOP "H30" at 1722.74,463.6 h50 r90; ASSEMBLY_TOP "H20" at 1726.74,-37.4 h50 r90; ASSEMBLY_TOP "C20" at 2463.24,-25.7 h50 r90; ASSEMBLY_TOP "C10" at 2465.24,-507.7 h50 r90; ASSEMBLY_TOP "H10" at 1725.74,-518.4 h50 r90; ASSEMBLY_TOP "C1" at 2491.24,-985.7 h50 r90; ASSEMBLY_TOP "H1" at 1746.84,-978.6 h50 r90; ASSEMBLY_TOP "UPN" at 2098.27,150 h25 r180; ASSEMBLY_TOP "ASP-134604-01" at 1998.27,-50 h25 r180
P202: PIN_NUMBER "1" at 790,430 h25 r180; PIN_NUMBER "3" at 890,430 h25 r180; PIN_NUMBER "2" at 790,530 h25 r180; PIN_NUMBER "20" at 1680,530 h25 r180; PIN_NUMBER "19" at 1680,430 h25 r180; PIN_NUMBER "18" at 1580,530 h25 r180; PIN_NUMBER "17" at 1580,430 h25 r180; PIN_NUMBER "11" at 1280,430 h25 r180; PIN_NUMBER "10" at 1180,530 h25 r180; PIN_NUMBER "9" at 1190,430 h25 r180; PIN_NUMBER "8" at 1090,530 h25 r180; PIN_NUMBER "7" at 1090,430 h25 r180; PIN_NUMBER "6" at 990,530 h25 r180; PIN_NUMBER "5" at 990,430 h25 r180; PIN_NUMBER "4" at 890,530 h25 r180; PIN_NUMBER "12" at 1280,530 h25 r180; PIN_NUMBER "13" at 1380,430 h25 r180; PIN_NUMBER "14" at 1380,530 h25 r180; PIN_NUMBER "15" at 1480,430 h25 r180; PIN_NUMBER "16" at 1480,530 h25 r180; ASSEMBLY_BOTTOM "UPN" at 1632.5,480 h25 r90; ASSEMBLY_BOTTOM "SSW-110-02-G-D" at 722.5,480 h25 r90; PAD_STACK_NAME "C65D45" at 1130,717.5 h50 r180; PAD_STACK_NAME "S65D45" at 1130,642.5 h50 r180; PAD_STACK_NAME "CNBERGF2X10H335LD32" at 870,305 h50 r180; Bottom Overlay "2" at 707.6,549.32 h31; Bottom Overlay "20" at 1765.2,519.32 h31; Bottom Overlay "19" at 1765.2,429.32 h31; Top Overlay "10" at 1172.7,575 h31; Top Overlay "5" at 987.6,359.32 h31; Top Overlay "2" at 717.6,529.32 h31; Top Overlay "20" at 1732.7,567.5 h31; Top Overlay "19" at 1735.2,380 h31 r180; DISPLAY_BOTTOM "ADI/PMA" at 1713.2,480 h31 r90; DISPLAY_BOTTOM "09APR99" at 1763.2,480 h31 r90; DISPLAY_BOTTOM "CEXI/BTC" at 550.8,480 h31 r90; DISPLAY_BOTTOM "09APR99" at 613.2,480 h31 r90
P301: PIN_NUMBER "2" at 1630,-1020 h25 r180; PIN_NUMBER "3" at 1730,-1020 h25 r180; PIN_NUMBER "1" at 1530,-1020 h25 r180; ASSEMBLY_BOTTOM "1" at 1520,-910 h50 r180; ASSEMBLY_BOTTOM "UPN" at 1870,-1020 h25 r90; ASSEMBLY_BOTTOM "SAMTECTSW10608GS3PIN" at 1390,-1020 h25 r90; PAD_STACK_NAME "S65D40" at 1575,-875 h50 r180; PAD_STACK_NAME "C65D40" at 1575,-800 h50 r180; PAD_STACK_NAME "CNBERG1X3H205LD36" at 1345,-1145 h50 r180; Bottom Overlay "1" at 1465.8,-969.2 h50; Top Overlay "1" at 1520.3,-974.7 h50; DISPLAY_BOTTOM "04FEB02" at 1928.2,-1015 h31 r90; DISPLAY_BOTTOM "QA/XXX" at 1890.6,-1015 h31 r90; DISPLAY_BOTTOM "23FEB08" at 1358.2,-1020 h31 r90; DISPLAY_BOTTOM "ADI/DML" at 1298.2,-1020 h31 r90
R101: PIN_NUMBER "1" at -128.25,343.74 h25; PIN_NUMBER "2" at -104.25,343.76 h25; PAD_STACK_NAME "14X14" at -198.65,219.74 h50; PAD_STACK_NAME "R0201" at -195.26,440.75 h50; DISPLAY_TOP "QA/XXX" at -35.64,343.75 h31 r90; DISPLAY_TOP "26JAN09" at -308.05,343.75 h31 r90; DISPLAY_TOP "10XXX09" at -8.06,343.75 h31 r90; DISPLAY_TOP "ADI/DML" at -353.05,343.76 h31 r90; ASSEMBLY_TOP "UPN" at -71.25,343.75 h25 r90; ASSEMBLY_TOP "1" at -81.25,343.75 h25 r90; ASSEMBLY_TOP "49.9" at -156.45,343.76 h25 r90
R102: PIN_NUMBER "1" at -81.75,-342.5 h25 r180; PIN_NUMBER "2" at -105.75,-342.5 h25 r180; PAD_STACK_NAME "14X14" at -191.35,-218.5 h50 r180; PAD_STACK_NAME "R0201" at -194.75,-439.5 h50 r180; DISPLAY_TOP "QA/XXX" at -303.15,-342.5 h31 r270; DISPLAY_TOP "26JAN09" at -55.55,-342.5 h31 r270; DISPLAY_TOP "10XXX09" at -355.55,-342.5 h31 r270; DISPLAY_TOP "ADI/DML" at -10.55,-342.5 h31 r270; ASSEMBLY_TOP "UPN" at -178.74,-342.5 h25 r270; ASSEMBLY_TOP "1" at -128.75,-342.5 h25 r270; ASSEMBLY_TOP "49.9" at -113.55,-342.5 h25 r270
R103: PIN_NUMBER "1" at -3,92.5 h25 r180; PIN_NUMBER "2" at -27,92.5 h25 r180; PAD_STACK_NAME "14X14" at -112.6,216.5 h50 r180; PAD_STACK_NAME "R0201" at -116,-4.5 h50 r180; DISPLAY_TOP "QA/XXX" at -224.4,92.5 h31 r270; DISPLAY_TOP "26JAN09" at 23.2,92.5 h31 r270; DISPLAY_TOP "10XXX09" at -276.8,92.5 h31 r270; DISPLAY_TOP "ADI/DML" at 68.2,92.5 h31 r270; ASSEMBLY_TOP "UPN" at -100,92.5 h25 r270; ASSEMBLY_TOP "1" at -50,92.5 h25 r270; ASSEMBLY_TOP "10K" at -24.8,92.5 h25 r270
R110: PIN_NUMBER "1" at 378,980 h25; PIN_NUMBER "2" at 402,980 h25; PAD_STACK_NAME "14X14" at 307.6,856 h50; PAD_STACK_NAME "R0201" at 311,1077 h50; DISPLAY_TOP "QA/XXX" at 470.6,980 h31 r90; DISPLAY_TOP "26JAN09" at 198.2,980 h31 r90; DISPLAY_TOP "10XXX09" at 498.2,980 h31 r90; DISPLAY_TOP "ADI/DML" at 153.2,980 h31 r90; ASSEMBLY_TOP "UPN" at 435,980 h25 r90; ASSEMBLY_TOP "1" at 425,980 h25 r90; ASSEMBLY_TOP "49.9" at 349.8,980 h25 r90
R111: PIN_NUMBER "1" at -45.5,42.5 h25 r180; PIN_NUMBER "2" at -69.5,42.5 h25 r180; PAD_STACK_NAME "14X14" at -155.1,166.5 h50 r180; PAD_STACK_NAME "R0201" at -158.5,-54.5 h50 r180; DISPLAY_TOP "QA/XXX" at -266.9,42.5 h31 r270; DISPLAY_TOP "26JAN09" at -19.3,42.5 h31 r270; DISPLAY_TOP "10XXX09" at -319.3,42.5 h31 r270; DISPLAY_TOP "ADI/DML" at 25.7,42.5 h31 r270; ASSEMBLY_TOP "UPN" at -142.5,42.5 h25 r270; ASSEMBLY_TOP "1" at -92.5,42.5 h25 r270; ASSEMBLY_TOP "10K" at -67.3,42.5 h25 r270
R121: PIN_NUMBER "2" at -79,268.35 h25 r300; PIN_NUMBER "1" at -91,289.14 h25 r300; PAD_STACK_NAME "14X14" at -278.59,210.17 h50 r300; PAD_STACK_NAME "R0201" at -85.49,317.73 h50 r300; DISPLAY_TOP "QA/XXX" at -76.91,153.17 h31 r30; DISPLAY_TOP "26JAN09" at -219.3,378.34 h31 r30; DISPLAY_TOP "10XXX09" at -69.3,118.53 h31 r30; DISPLAY_TOP "ADI/DML" at -241.8,417.31 h31 r30; ASSEMBLY_TOP "UPN" at -72.5,222.45 h25 r30; ASSEMBLY_TOP "1" at -67.5,248.44 h25 r30; ASSEMBLY_TOP "10" at -100.1,287.58 h25 r30
R122: PIN_NUMBER "1" at -105,-305.74 h25 r90; PIN_NUMBER "2" at -105,-281.76 h25 r90; PAD_STACK_NAME "14X14" at -70.99,-286.15 h50 r90; PAD_STACK_NAME "R0201" at -291.99,-282.75 h50 r90; DISPLAY_TOP "QA/XXX" at -169.41,-148.76 h31 r180; DISPLAY_TOP "26JAN09" at -181.79,-408.75 h31 r180; DISPLAY_TOP "10XXX09" at -181.8,-108.76 h31 r180; DISPLAY_TOP "ADI/DML" at -181.79,-453.75 h31 r180; ASSEMBLY_TOP "UPN" at -125,-228.75 h25 r180; ASSEMBLY_TOP "1" at -105,-258.75 h25 r180; ASSEMBLY_TOP "10" at -114.99,-303.95 h25 r180
R123: PIN_NUMBER "1" at 213.75,-154.75 h25; PIN_NUMBER "2" at 237.75,-154.75 h25; PAD_STACK_NAME "14X14" at 143.35,-278.75 h50; PAD_STACK_NAME "R0201" at 146.75,-57.75 h50; DISPLAY_TOP "QA/XXX" at 306.35,-154.75 h31 r90; DISPLAY_TOP "26JAN09" at 33.95,-154.75 h31 r90; DISPLAY_TOP "10XXX09" at 333.95,-154.75 h31 r90; DISPLAY_TOP "ADI/DML" at -11.05,-154.75 h31 r90; ASSEMBLY_TOP "UPN" at 270.75,-154.75 h25 r90; ASSEMBLY_TOP "1" at 260.75,-154.75 h25 r90; ASSEMBLY_TOP "1" at 215.55,-154.75 h25 r90
R124: PIN_NUMBER "1" at -191.75,8.25 h25 r90; PIN_NUMBER "2" at -191.75,32.25 h25 r90; PAD_STACK_NAME "14X14" at -157.75,27.85 h50 r90; PAD_STACK_NAME "R0201" at -378.75,31.25 h50 r90; DISPLAY_TOP "QA/XXX" at -256.15,165.25 h31 r180; DISPLAY_TOP "26JAN09" at -268.55,-94.75 h31 r180; DISPLAY_TOP "10XXX09" at -268.55,205.25 h31 r180; DISPLAY_TOP "ADI/DML" at -268.55,-139.75 h31 r180; ASSEMBLY_TOP "UPN" at -211.75,85.25 h25 r180; ASSEMBLY_TOP "1" at -191.75,55.25 h25 r180; ASSEMBLY_TOP "1" at -191.75,10.05 h25 r180